# KiCad board chococorne.kicad_pcb
title: chocorne; date: 2023-09-03; rev: 1.0; company: idank
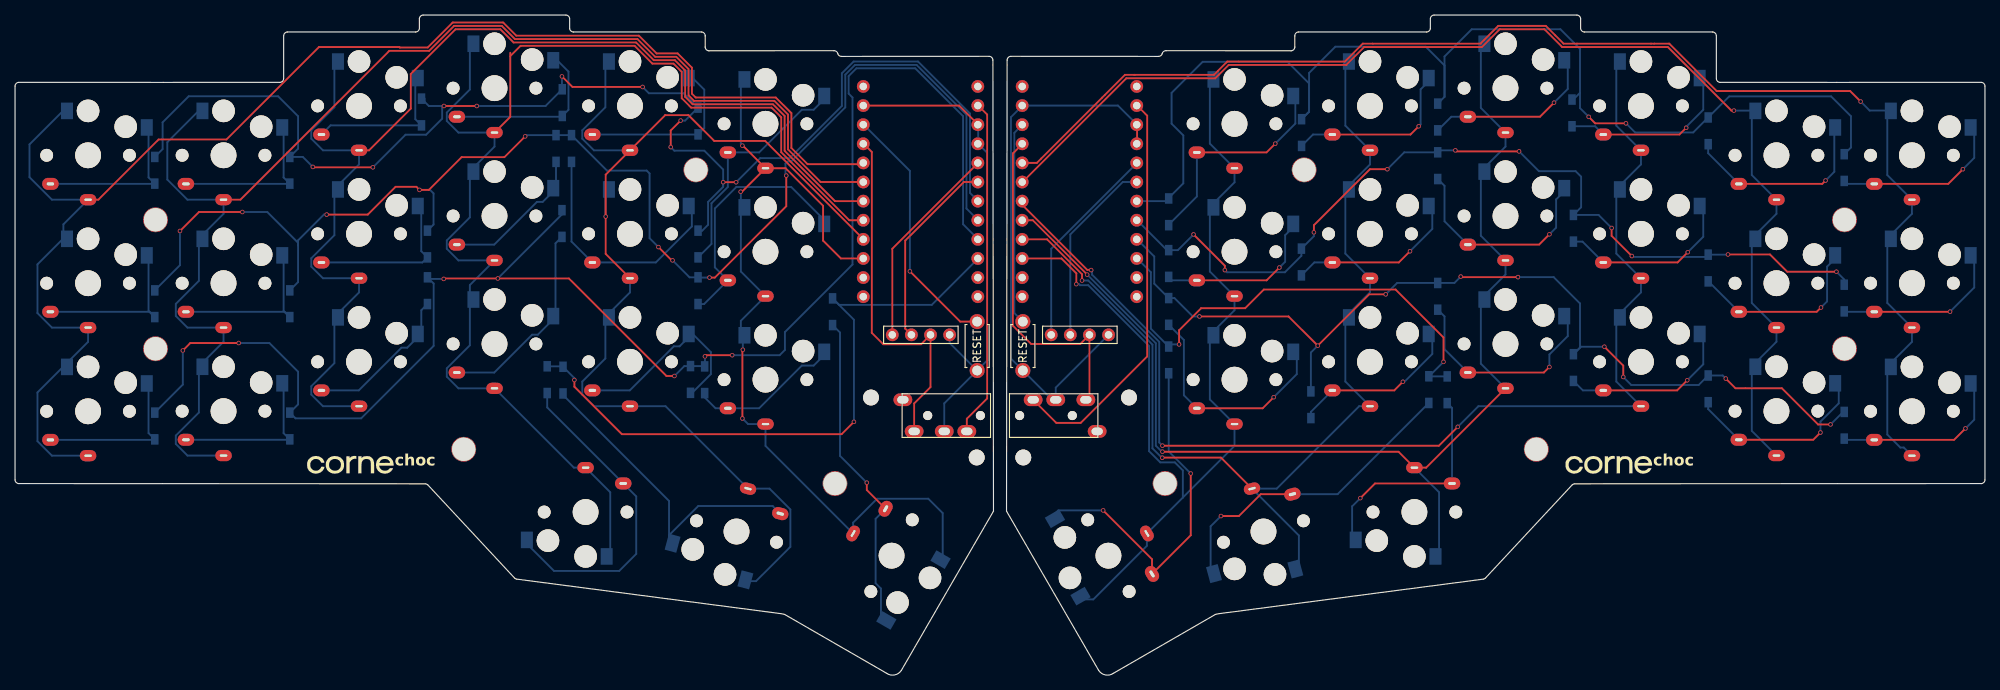
[diagram p0: board, top side]
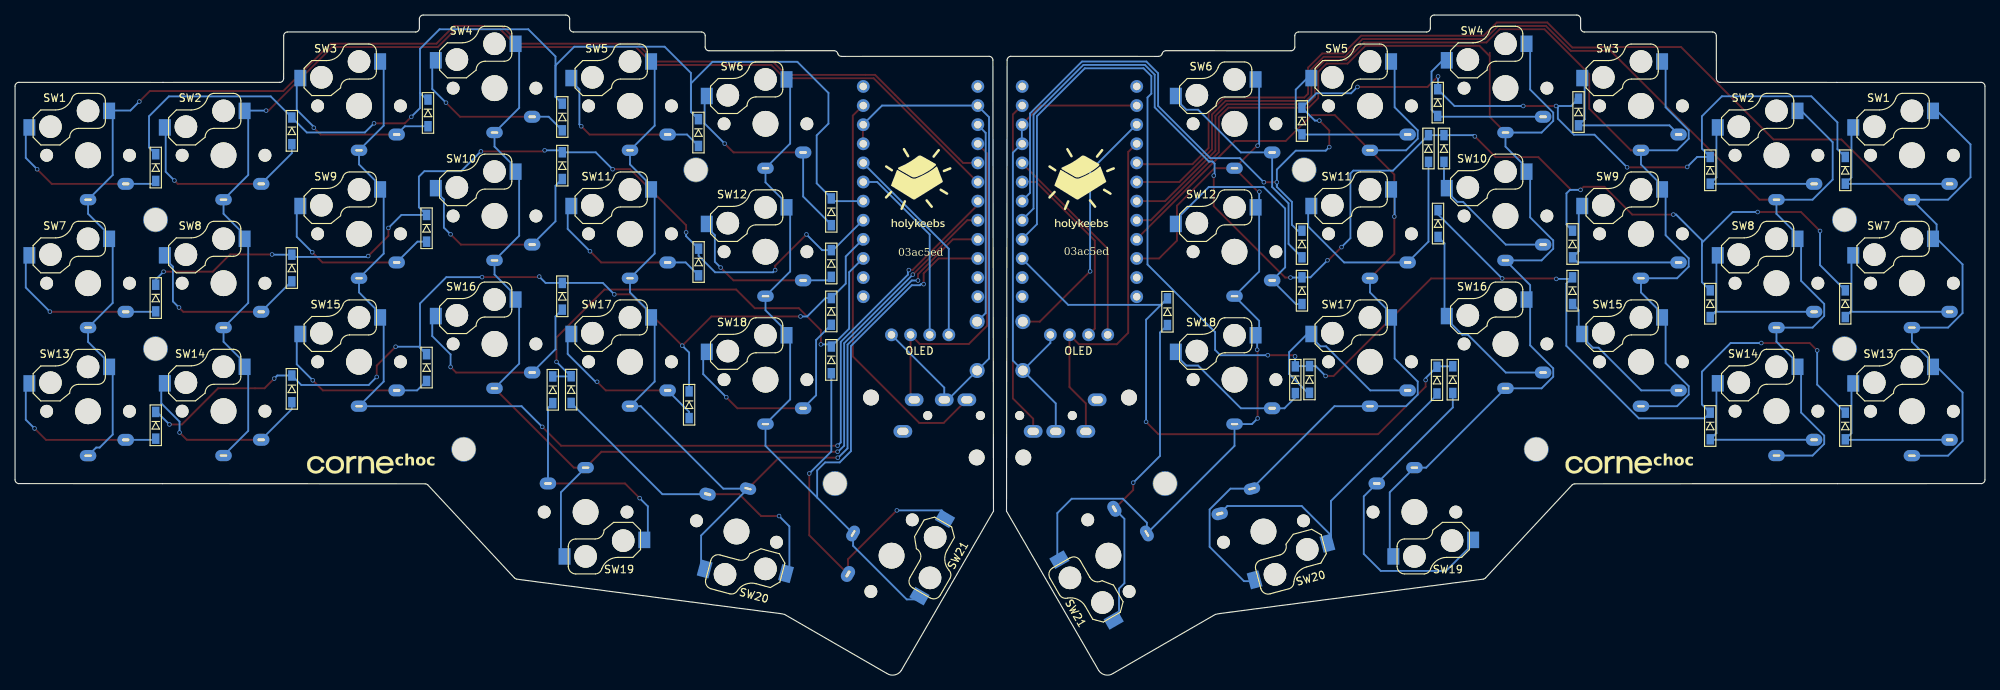
[diagram p1: board, bottom side, seen from below]

Outline 261.71 x 87.7 mm; copper layers: Top, Bottom. Coordinates in mm from the lower left corner of the outline.
Outline path: 0,78.25 0,25.93 arc(0.15,25.58) 0.5,25.43 19.61,25.43 54.49,25.4 arc(54.67,25.37) 54.82,25.27 66.36,12.88 arc(66.49,12.79) 66.64,12.74 101.6,8.17 arc(101.93,8.12) 102.25,8.04 115.81,0.21 arc(116.85,0) 117.74,0.59 129.99,21.77 129.91,81.71 arc(129.76,82.06) 129.41,82.21 109.79,82.2 arc(109.49,82.3) 109.31,82.56 arc(109.14,82.85) 108.82,82.96 92.19,82.95 arc(91.84,83.09) 91.69,83.45 91.69,84.95 arc(91.54,85.3) 91.19,85.45 74.18,85.45 arc(73.83,85.59) 73.68,85.95 73.68,87.2 arc(73.53,87.55) 73.18,87.7 54.22,87.7 arc(53.87,87.55) 53.72,87.2 53.72,85.95 arc(53.57,85.59) 53.22,85.45 36.19,85.45 arc(35.84,85.3) 35.69,84.95 35.68,79.25 arc(35.53,78.9) 35.18,78.75 19.67,78.75 0.5,78.75 arc(0.15,78.6) 0,78.25 ; 131.72,21.77 131.8,81.71 arc(131.95,82.06) 132.3,82.21 151.92,82.2 arc(152.22,82.3) 152.4,82.56 arc(152.58,82.85) 152.89,82.96 169.52,82.95 arc(169.88,83.09) 170.02,83.45 170.02,84.95 arc(170.17,85.3) 170.52,85.45 187.53,85.45 arc(187.89,85.59) 188.03,85.95 188.03,87.2 arc(188.18,87.55) 188.53,87.7 207.49,87.7 arc(207.85,87.55) 207.99,87.2 207.99,85.95 arc(208.14,85.59) 208.49,85.45 225.52,85.45 arc(225.88,85.3) 226.02,84.95 226.03,79.25 arc(226.18,78.9) 226.53,78.75 242.05,78.75 261.21,78.75 arc(261.57,78.6) 261.71,78.25 261.71,25.93 arc(261.57,25.58) 261.21,25.43 242.1,25.43 207.22,25.4 arc(207.04,25.37) 206.89,25.27 195.35,12.88 arc(195.23,12.79) 195.08,12.74 160.11,8.17 arc(159.78,8.12) 159.46,8.04 145.9,0.21 arc(144.86,0) 143.97,0.59 131.72,21.77
Stack: Top 0.035mm / dielectric 1.51mm FR4 er 4.5 / Bottom 0.035mm

## Placement (name value [footprint] x y rotation side)
D1  D  [D3_SMD_v2]  18.56 67.07 270 bottom
D1#2  D  [D3_SMD_v2]  243.02 67.43 270 bottom
D2  D  [D3_SMD_v2]  36.5 67.07 270 bottom
D2#2  D  [D3_SMD_v2]  224.94 72.31 270 bottom
D3  D  [D3_SMD_v2]  54 74.81 270 bottom
D3#2  D  [D3_SMD_v2]  206.85 74.69 270 bottom
D4  D  [D3_SMD_v2]  72.7 76.06 270 bottom
D4#2  D  [D3_SMD_v2]  189.01 74.15 270 bottom
D5  D  [D3_SMD_v2]  90.74 73.62 270 bottom
D5#2  D  [D3_SMD_v2]  170.92 72.08 270 bottom
D6  D  [D3_SMD_v2]  90.74 57.27 270 bottom
D6#2  D  [D3_SMD_v2]  153.27 61.55 270 bottom
D7  D  [D3_SMD_v2]  18.56 49.34 270 bottom
D7#2  D  [D3_SMD_v2]  243.02 50.09 270 bottom
D8  D  [D3_SMD_v2]  36.5 49.34 270 bottom
D8#2  D  [D3_SMD_v2]  224.94 54.08 270 bottom
D9  D  [D3_SMD_v2]  54.79 57.27 270 bottom
D9#2  D  [D3_SMD_v2]  207.04 59.36 270 bottom
D10  D  [D3_SMD_v2]  71.87 69.96 270 bottom
D10#2  D  [D3_SMD_v2]  189.01 67.68 270 bottom
D11  D  [D3_SMD_v2]  73.93 69.96 270 bottom
D11#2  D  [D3_SMD_v2]  170.9 54.88 270 bottom
D12  D  [D3_SMD_v2]  90.74 51.07 270 bottom
D12#2  D  [D3_SMD_v2]  153.27 54.68 270 bottom
D13  D  [D3_SMD_v2]  18.56 33.09 270 bottom
D13#2  D  [D3_SMD_v2]  243.02 33.18 270 bottom
D14  D  [D3_SMD_v2]  36.5 33.09 270 bottom
D14#2  D  [D3_SMD_v2]  224.94 38.02 270 bottom
D15  D  [D3_SMD_v2]  54.79 51.07 270 bottom
D15#2  D  [D3_SMD_v2]  207.04 40.85 270 bottom
D16  D  [D3_SMD_v2]  72.66 59.99 270 bottom
D16#2  D  [D3_SMD_v2]  189.01 50.32 270 bottom
D17  D  [D3_SMD_v2]  89.74 39.27 270 bottom
D17#2  D  [D3_SMD_v2]  172.16 35.91 270 bottom
D18  D  [D3_SMD_v2]  91.62 39.23 270 bottom
D18#2  D  [D3_SMD_v2]  153.27 48.31 270 bottom
D19  D  [D3_SMD_v2]  70.7 39.24 270 bottom
D19#2  D  [D3_SMD_v2]  190.27 37.9 270 bottom
D20  D  [D3_SMD_v2]  72.8 39.18 270 bottom
D20#2  D  [D3_SMD_v2]  187.83 37.92 270 bottom
D21  D  [D3_SMD_v2]  108.61 48.27 270 bottom
D21#2  D  [D3_SMD_v2]  153.27 41.87 270 bottom
G***  LOGO  [corne-logo-horizontal-mask]  214.45 28.25 0 top
G***#2  LOGO  [corne-logo-horizontal-mask]  47.26 28.25 0 top
G***#3  LOGO  [corne-logo-horizontal-mask]  214.45 28.25 180 bottom
G***#4  LOGO  [corne-logo-horizontal-mask]  47.26 28.25 180 bottom
h2  h2  [M2_SPACER]  18.66 60.49 0 top
h2#2  h2  [M2_SPACER]  59.61 29.99 0 top
h2#3  h2  [M2_SPACER]  18.66 43.35 0 top
h2#4  h2  [M2_HOLE_NPH]  113.72 36.87 0 top
h2#5  h2  [M2_HOLE_NPH]  127.76 28.9 0 top
h2#6  h2  [M2_SPACER]  108.93 25.44 0 top
h2#7  h2  [M2_SPACER]  243.05 60.49 180 bottom
h2#8  h2  [M2_SPACER]  243.05 43.35 180 bottom
h2#9  h2  [M2_HOLE_NPH]  133.95 28.9 180 bottom
h2#10  h2  [M2_SPACER]  202.1 29.99 180 bottom
h2#11  h2  [M2_HOLE_NPH]  147.99 36.87 180 bottom
h2#12  h2  [M2_SPACER]  152.78 25.44 180 bottom
J1  MJ-4PP-9  [MJ-4PP-9_1side]  129.75 34.47 270 top
J1#2  MJ-4PP-9  [MJ-4PP-9_1side]  131.96 34.47 90 top
J2  OLED  [OLED_1side_1mm_holes]  116.55 45.2 0 top
J2#2  OLED  [OLED_1side_1mm_holes]  137.66 45.2 0 top
NOREF  -  [M2_SPACER]  171.26 67.12 0 top
NOREF#2  -  [M2_SPACER]  90.45 67.12 180 bottom
REF**  logo big  [logo .5x]  120 65.03 180 bottom
REF**#2  logo big  [logo .5x]  141.71 65.03 180 bottom
RSW1  Val**  [ResetSW_1side]  127.82 43.71 270 top
RSW1#2  Val**  [ResetSW_1side]  133.89 43.71 270 top
SW1  SW_PUSH  [Kailh_socket_PG1350_optional_oval_smaller_hotswap_alternate_pinout]  9.7 69.06 0 top
SW1#2  SW_PUSH  [Kailh_socket_PG1350_optional_oval_smaller_hotswap_alternate_pinout]  252.01 69.06 0 top
SW2  SW_PUSH  [Kailh_socket_PG1350_optional_oval_smaller_hotswap_alternate_pinout]  27.7 69.06 0 top
SW2#2  SW_PUSH  [Kailh_socket_PG1350_optional_oval_smaller_hotswap_alternate_pinout]  234.01 69.06 0 top
SW3  SW_PUSH  [Kailh_socket_PG1350_optional_oval_smaller_hotswap_alternate_pinout]  45.7 75.62 0 top
SW3#2  SW_PUSH  [Kailh_socket_PG1350_optional_oval_smaller_hotswap_alternate_pinout]  216.01 75.62 0 top
SW4  SW_PUSH  [Kailh_socket_PG1350_optional_oval_smaller_hotswap_alternate_pinout]  63.7 77.98 0 top
SW4#2  SW_PUSH  [Kailh_socket_PG1350_optional_oval_smaller_hotswap_alternate_pinout]  198.01 77.98 0 top
SW5  SW_PUSH  [Kailh_socket_PG1350_optional_oval_smaller_hotswap_alternate_pinout]  81.7 75.62 0 top
SW5#2  SW_PUSH  [Kailh_socket_PG1350_optional_oval_smaller_hotswap_alternate_pinout]  180.01 75.62 0 top
SW6  SW_PUSH  [Kailh_socket_PG1350_optional_oval_smaller_hotswap_alternate_pinout]  99.7 73.24 0 top
SW6#2  SW_PUSH  [Kailh_socket_PG1350_optional_oval_smaller_hotswap_alternate_pinout]  162.01 73.24 0 top
SW7  SW_PUSH  [Kailh_socket_PG1350_optional_oval_smaller_hotswap_alternate_pinout]  9.7 52.06 0 top
SW7#2  SW_PUSH  [Kailh_socket_PG1350_optional_oval_smaller_hotswap_alternate_pinout]  252.01 52.06 0 top
SW8  SW_PUSH  [Kailh_socket_PG1350_optional_oval_smaller_hotswap_alternate_pinout]  27.7 52.06 0 top
SW8#2  SW_PUSH  [Kailh_socket_PG1350_optional_oval_smaller_hotswap_alternate_pinout]  234.01 52.06 0 top
SW9  SW_PUSH  [Kailh_socket_PG1350_optional_oval_smaller_hotswap_alternate_pinout]  45.7 58.62 0 top
SW9#2  SW_PUSH  [Kailh_socket_PG1350_optional_oval_smaller_hotswap_alternate_pinout]  216.01 58.62 0 top
SW10  SW_PUSH  [Kailh_socket_PG1350_optional_oval_smaller_hotswap_alternate_pinout]  63.7 60.99 0 top
SW10#2  SW_PUSH  [Kailh_socket_PG1350_optional_oval_smaller_hotswap_alternate_pinout]  198.01 60.99 0 top
SW11  SW_PUSH  [Kailh_socket_PG1350_optional_oval_smaller_hotswap_alternate_pinout]  81.7 58.62 0 top
SW11#2  SW_PUSH  [Kailh_socket_PG1350_optional_oval_smaller_hotswap_alternate_pinout]  180.01 58.62 0 top
SW12  SW_PUSH  [Kailh_socket_PG1350_optional_oval_smaller_hotswap_alternate_pinout]  99.7 56.24 0 top
SW12#2  SW_PUSH  [Kailh_socket_PG1350_optional_oval_smaller_hotswap_alternate_pinout]  162.01 56.24 0 top
SW13  SW_PUSH  [Kailh_socket_PG1350_optional_oval_smaller_hotswap_alternate_pinout]  9.7 35.04 0 top
SW13#2  SW_PUSH  [Kailh_socket_PG1350_optional_oval_smaller_hotswap_alternate_pinout]  252.01 35.04 0 top
SW14  SW_PUSH  [Kailh_socket_PG1350_optional_oval_smaller_hotswap_alternate_pinout]  27.7 35.06 0 top
SW14#2  SW_PUSH  [Kailh_socket_PG1350_optional_oval_smaller_hotswap_alternate_pinout]  234.01 35.06 0 top
SW15  SW_PUSH  [Kailh_socket_PG1350_optional_oval_smaller_hotswap_alternate_pinout]  45.7 41.62 0 top
SW15#2  SW_PUSH  [Kailh_socket_PG1350_optional_oval_smaller_hotswap_alternate_pinout]  216.01 41.62 0 top
SW16  SW_PUSH  [Kailh_socket_PG1350_optional_oval_smaller_hotswap_alternate_pinout]  63.7 43.99 0 top
SW16#2  SW_PUSH  [Kailh_socket_PG1350_optional_oval_smaller_hotswap_alternate_pinout]  198.01 43.99 0 top
SW17  SW_PUSH  [Kailh_socket_PG1350_optional_oval_smaller_hotswap_alternate_pinout]  81.7 41.62 0 top
SW17#2  SW_PUSH  [Kailh_socket_PG1350_optional_oval_smaller_hotswap_alternate_pinout]  180.01 41.62 0 top
SW18  SW_PUSH  [Kailh_socket_PG1350_optional_oval_smaller_hotswap_alternate_pinout]  99.7 39.24 0 top
SW18#2  SW_PUSH  [Kailh_socket_PG1350_optional_oval_smaller_hotswap_alternate_pinout]  162.01 39.24 0 top
SW19  SW_PUSH  [Kailh_socket_PG1350_optional_oval_smaller_hotswap_alternate_pinout]  75.8 21.65 180 top
SW19#2  SW_PUSH  [Kailh_socket_PG1350_optional_oval_smaller_hotswap_alternate_pinout]  185.91 21.65 180 top
SW20  SW_PUSH  [Kailh_socket_PG1350_optional_oval_smaller_hotswap_alternate_pinout]  95.85 19.06 165 top
SW20#2  SW_PUSH  [Kailh_socket_PG1350_optional_oval_smaller_hotswap_alternate_pinout]  165.86 19.06 195 top
SW21  SW_PUSH  [Kailh_socket_PG1350_optional_oval_smaller_hotswap_alternate_pinout]  116.45 15.85 240 top
SW21#2  SW_PUSH  [Kailh_socket_PG1350_optional_oval_smaller_hotswap_alternate_pinout]  145.26 15.85 120 top
U1  ProMicro  [ProMicro_1mm_holes]  120.3 63.73 0 top
U1#2  ProMicro  [ProMicro_1mm_holes]  141.41 63.73 0 top

## Library data of the parts
J1 J1#2 = -: Field4: TRRS

## Footprints (pads in the part's own frame, mm; a bottom-side part is the same pattern mirrored in y, then rotated)
D3_SMD_v2
  rect 1.4x1 smd: 1(-1.775,0) 2(1.775,0)
Kailh_socket_PG1350_optional_oval_smaller_hotswap_alternate_pinout
  round 1.702 hole 1.702 unplated: (-5.5,0) (5.5,0)
  round 3 hole 3 unplated: (0,5.9) (5,3.8)
  round 3.429 hole 3.429 unplated: (0,0)
  rect 1.6x2.2 smd far side: 1(-2.8,5.9) 2(7.8,3.7)
  oval 2.2x1.5 hole 1x0.3: 1(0,-5.9)
  oval 2.2x1.6 hole 1x0.4: 2(-5,-3.8)
M2_HOLE_NPH
  round 2.1 hole 2.1 unplated: (0,0)
M2_SPACER
  round 3.3 hole 3.1: (0,0)
MJ-4PP-9_1side
  round 1.2 hole 1.2 unplated: (0,-1.5) (0,-8.5)
  oval 1.7x2.5 hole 1x1.5: A(-2.1,-11.8) B(2.1,-3.3) C(2.1,-6.3) D(2.1,-10.3)
OLED_1side_1mm_holes
  round 1.7 hole 1: 1(0,0) 2(2.54,0) 3(5.08,0) 4(7.62,0)
ProMicro_1mm_holes
  round 1.7 hole 1: 1(7.611,14.478) 2(7.611,11.938) 3(7.611,9.398) 4(7.611,6.858) 5(7.611,4.318) 6(7.611,1.778) 7(7.611,-0.762) 8(7.611,-3.302) 9(7.611,-5.842) 10(7.611,-8.382) 11(7.611,-10.922) 12(7.611,-13.462) 13(-7.609,-13.462) 14(-7.609,-10.922) 15(-7.609,-8.382) 16(-7.609,-5.842) 17(-7.609,-3.302) 18(-7.609,-0.762) 19(-7.609,1.778) 20(-7.609,4.318) 21(-7.609,6.858) 22(-7.609,9.398) 23(-7.609,11.938) 24(-7.609,14.478)
ResetSW_1side
  round 2 hole 1.3: 1(3.25,0) 2(-3.25,0)

## Nets
GND: J1.C J1#2.C J2.4 J2#2.4 RSW1.1 RSW1#2.1 U1.3 U1.4 U1.23 U1#2.3 U1#2.4 U1#2.23
VCC: J1.D J1#2.D J2.3 J2#2.3 U1.21 U1#2.21
col0: SW1.1 SW1#2.1 SW7.1 SW7#2.1 SW13.1 SW13#2.1 U1.20 U1#2.20
col1: SW2.1 SW2#2.1 SW8.1 SW8#2.1 SW14.1 SW14#2.1 U1.19 U1#2.19
col2: SW3.1 SW3#2.1 SW9.1 SW9#2.1 SW15.1 SW15#2.1 U1.18 U1#2.18
col3: SW4.1 SW4#2.1 SW10.1 SW10#2.1 SW16.1 SW16#2.1 SW19.1 SW19#2.1 U1.17 U1#2.17
col4: SW5.1 SW5#2.1 SW11.1 SW11#2.1 SW17.1 SW17#2.1 SW20.1 SW20#2.1 U1.16 U1#2.16
col5: SW6.1 SW6#2.1 SW12.1 SW12#2.1 SW18.1 SW18#2.1 SW21.1 SW21#2.1 U1.15 U1#2.15
data: J1.B J1#2.B U1.2 U1#2.2
LED: U1.1 U1#2.1
reset: RSW1.2 RSW1#2.2 U1.22 U1#2.22
row0: D1.1 D1#2.1 D2.1 D2#2.1 D3.1 D3#2.1 D4.1 D4#2.1 D5.1 D5#2.1 D6.1 D6#2.1 U1.7 U1#2.7
row1: D7.1 D7#2.1 D8.1 D8#2.1 D9.1 D9#2.1 D10.1 D10#2.1 D11.1 D11#2.1 D12.1 D12#2.1 U1.8 U1#2.8
row2: D13.1 D13#2.1 D14.1 D14#2.1 D15.1 D15#2.1 D16.1 D16#2.1 D17.1 D17#2.1 D18.1 D18#2.1 U1.9 U1#2.9
row3: D19.1 D19#2.1 D20.1 D20#2.1 D21.1 D21#2.1 U1.10 U1#2.10
SCL: J2.2 J2#2.2 U1.6 U1#2.6
SDA: J2.1 J2#2.1 U1.5 U1#2.5
Net-(D1-Pad2): D1.2 D1#2.2 SW1.2 SW1#2.2
Net-(D2-Pad2): D2.2 D2#2.2 SW2.2 SW2#2.2
Net-(D3-Pad2): D3.2 D3#2.2 SW3.2 SW3#2.2
Net-(D4-Pad2): D4.2 D4#2.2 SW4.2 SW4#2.2
Net-(D5-Pad2): D5.2 D5#2.2 SW5.2 SW5#2.2
Net-(D6-Pad2): D6.2 D6#2.2 SW6.2 SW6#2.2
Net-(D7-Pad2): D7.2 D7#2.2 SW7.2 SW7#2.2
Net-(D8-Pad2): D8.2 D8#2.2 SW8.2 SW8#2.2
Net-(D9-Pad2): D9.2 D9#2.2 SW9.2 SW9#2.2
Net-(D10-Pad2): D10.2 D10#2.2 SW10.2 SW10#2.2
Net-(D11-Pad2): D11.2 D11#2.2 SW11.2 SW11#2.2
Net-(D12-Pad2): D12.2 D12#2.2 SW12.2 SW12#2.2
Net-(D13-Pad2): D13.2 D13#2.2 SW13.2 SW13#2.2
Net-(D14-Pad2): D14.2 D14#2.2 SW14.2 SW14#2.2
Net-(D15-Pad2): D15.2 D15#2.2 SW15.2 SW15#2.2
Net-(D16-Pad2): D16.2 D16#2.2 SW16.2 SW16#2.2
Net-(D17-Pad2): D17.2 D17#2.2 SW17.2 SW17#2.2
Net-(D18-Pad2): D18.2 D18#2.2 SW18.2 SW18#2.2
Net-(D19-Pad2): D19.2 D19#2.2 SW19.2 SW19#2.2
Net-(D20-Pad2): D20.2 D20#2.2 SW20.2 SW20#2.2
Net-(D21-Pad2): D21.2 D21#2.2 SW21.2 SW21#2.2
Net-(J1-PadA): J1.A J1#2.A
Net-(U1-Pad24): U1.24 U1#2.24

Pads without a net: U1 11 12 13 14; U1#2 11 12 13 14

## Via types
v1: diameter 0.6, hole 0.4, Top to Bottom, 90 vias

## Routing (per net, layer and track width the routed paths; a pad name or vN(x,y) marks a point on that pad's centre or on a via; arc(x,y) is an arc through that point)
GND: length 139
  Top w0.25: 127.96,73.13 125.42,75.67 112.74,75.67 ; 149.07,73.13 149.07,70.59
  Bottom w0.25: RSW1.1 129.14,41.79 129.14,69.4 127.96,70.59 127.96,73.13 ; RSW1.1 124.17,44.12 J2.4 ; RSW1.1 123.45,36.09 J1.C ; J2#2.4 138.26,38.19 J1#2.C 137.78,36.57 RSW1#2.1 132.31,42.04 132.31,74.13 133.85,75.67 146.53,75.67 149.07,73.13
VCC: length 93.5
  Top w0.25: J1.D 119.45,36.08 121.63,38.25 J2.3 120.38,43.95 115.33,43.95 113.82,45.46 113.82,69.5 112.74,70.59 ; 133.85,70.59 132.57,69.31 132.57,46.41 134.99,43.99 141.52,43.99 J2#2.3 142.74,37.05 J1#2.D
col0: length 376
  Top w0.25: 112.74,68.05 112.57,67.88 105.29,67.88 103.14,70.03 103.14,74.66 101.06,76.74 90.43,76.74 89.92,77.25 89.92,80.71 88.04,82.6 85.24,82.6 82.88,84.96 66.6,84.96 64.85,86.71 58.14,86.71 54.82,83.38 51.11,83.38 51.05,83.45 40.37,83.45 28.08,71.16 19.07,71.16 11.07,63.16 SW1.1 ; v1(245.2,76.2) 243.8,77.6 226.07,77.6 219.78,83.9 205.73,83.9 203.37,86.26 197.05,86.26 194.69,83.9 179.05,83.9 176.67,81.52 161.05,81.52 159.28,79.75 147.45,79.75 135.75,68.05 133.85,68.05
  Bottom w0.25: 6.43,75.01 1.92,70.51 1.92,66.14 4.9,63.16 SW1.1 6.43,59.89 6.43,58.01 2.97,54.56 2.97,48.09 4.9,46.16 SW7.1 9.7,44.27 2.97,37.54 2.97,31.07 4.9,29.14 SW13.1 ; SW13#2.1 250.93,30.22 250.47,30.22 248.74,31.95 248.74,40.99 252.01,44.27 SW7#2.1 248.74,49.44 248.74,58.01 252.01,61.29 SW1#2.1 248.74,66.44 248.74,75.01 246.39,75.01 v1(245.2,76.2)
col1: length 340
  Top w0.25: 112.74,65.51 107.03,65.51 102.69,69.84 102.69,74.48 100.88,76.29 90.2,76.29 89.48,77.02 89.48,80.52 87.85,82.15 85.05,82.15 82.69,84.51 66.41,84.51 64.66,86.26 58.33,86.26 55.01,82.93 49.71,82.93 29.94,63.16 SW2.1 ; 133.85,65.51 147.64,79.3 159.47,79.3 161.24,81.07 176.86,81.07 179.24,83.45 194.88,83.45 197.24,85.81 203.18,85.81 205.54,83.45 219.59,83.45 228.04,75 v1(228.36,75)
  Bottom w0.25: SW14#2.1 230.74,32.43 230.74,41.01 234.01,44.28 SW8#2.1 230.74,49.44 230.74,58.01 234.01,61.29 SW2#2.1 230.74,66.44 230.74,75.01 230.73,75 v1(228.36,75) ; SW14.1 22.9,29.16 21.36,30.7 21.36,31.81 24.43,34.88 24.43,41.01 27.7,44.28 SW8.1 22.9,46.16 21.36,47.7 21.36,49.31 24.43,52.38 24.43,58.01 27.7,61.29 SW2.1 22.9,63.16 20.23,65.83 20.23,70.8 24.43,75 24.43,75.01
col2: length 318.2
  Top w0.25: 112.74,62.97 108.93,62.97 102.24,69.66 102.24,74.29 100.69,75.84 90.02,75.84 89.03,76.83 89.03,80.33 87.66,81.7 84.86,81.7 82.5,84.06 66.23,84.06 64.48,85.81 58.52,85.81 52.58,79.87 52.58,75.26 47.03,69.72 SW3.1 ; U1#2.18 133.8,62.47 142.45,53.83 142.94,53.83 v1(142.97,53.8) ; v1(152.44,30.47) 152.45,30.46 189.16,30.46 v1(191.67,32.97)
  Bottom w0.25: v1(142.97,53.8) 143.09,53.68 143.09,53.19 152.01,44.27 152.01,30.9 v1(152.44,30.47) ; v1(191.67,32.97) 194.42,35.72 SW15#2.1 212.74,38.99 212.74,47.57 216.01,50.84 SW9#2.1 212.74,56 212.74,64.57 216.01,67.85 SW3#2.1 212.74,73 212.74,81.57 ; 42.42,81.57 42.42,75.44 39.36,72.38 39.36,71.26 40.9,69.72 SW3.1 45.7,67.85 42.42,64.57 42.42,58.44 39.36,55.38 39.36,54.26 40.9,52.72 SW9.1 45.7,50.84 42.42,47.57 42.42,41.44 39.36,38.37 39.36,37.26 40.9,35.72 SW15.1
col3: length 328.8
  Top w0.25: 65.79,82.68 65.79,74.17 SW4.1 ; 112.74,60.43 110.83,60.43 101.79,69.47 101.79,74.11 100.5,75.39 89.83,75.39 88.58,76.65 88.58,80.15 87.48,81.25 84.68,81.25 82.32,83.61 67.15,83.61 65.79,82.24 ; 133.85,59.72 133.85,60.43 ; SW16#2.1 187.47,27.55 SW19#2.1 183.8,29.66 152.43,29.66 v1(152.44,29.67) 152.36,29.67 ; v1(142.44,53.2) 142.44,53.2 135.21,60.43 U1#2.17 133.8,60.11
  Bottom w0.25: SW19#2.1 189.19,24.28 189.19,15.7 ; 60.42,83.93 60.42,77.8 57.36,74.74 57.36,73.62 58.9,72.08 SW4.1 63.7,70.22 60.42,66.94 60.42,60.81 57.36,57.75 57.36,56.63 58.9,55.09 SW10.1 60.42,51.82 60.42,43.81 57.36,40.75 57.36,39.63 58.9,38.09 SW16.1 74.24,27.55 SW19.1 79.08,24.28 79.08,15.7 ; 194.74,83.93 194.74,75.36 SW4#2.1 198.01,70.22 194.74,66.94 194.74,58.37 SW10#2.1 198.01,53.22 194.74,49.94 194.74,41.37 SW16#2.1 ; v1(152.44,29.67) 152.36,29.67 151.56,30.47 151.56,44.08 v1(142.44,53.2)
col4: length 285.1
  Top w0.25: 112.74,57.89 99.66,70.97 92.89,70.97 89.46,74.39 86.37,74.39 SW5.1 78.47,66.49 v1(78.47,60.92) 78.47,55.95 SW11.1 ; SW20#2.1 160.21,28.88 152.42,28.88 v1(152.41,28.87) 152.36,28.87 ; v1(141.75,52.42) 141.75,53.25 137.12,57.89 U1#2.16
  Bottom w0.25: v1(141.75,52.42) 142.58,52.42 151.11,43.89 151.11,30.12 152.36,28.87 v1(152.41,28.87) ; v1(78.47,60.92) 78.42,60.97 78.42,64.57 ; SW5.1 76.9,69.72 75.36,71.26 75.36,72.38 78.42,75.44 78.42,81.57 ; 170.57,14.16 170.57,18.53 SW20#2.1 167.62,24.76 178.58,35.72 SW17#2.1 176.74,38.99 176.74,47.57 180.01,50.84 SW11#2.1 176.74,56 176.74,64.57 180.01,67.85 SW5#2.1 176.74,73 176.74,81.57 ; SW11.1 81.7,50.84 78.42,47.57 78.42,42.06 75.36,38.99 75.36,37.26 76.9,35.72 SW17.1 86.42,35.72 SW20.1 100.24,24.76 103,21.99 103,17.02 98.45,12.47 97.47,12.47
col5: length 246.4
  Top w0.25: SW6.1 96.58,64.22 v1(96.4,64.22) ; SW6.1 96.7,70.34 v1(96.63,70.34) ; SW6.1 102.36,67.34 107.35,62.35 107.35,57.72 109.72,55.35 112.74,55.35 ; v1(96.69,43.22) 96.63,43.16 v1(96.63,34.09) ; v1(141,51.94) 141,53.37 139.02,55.35 U1#2.15
  Bottom w0.25: 123.24,15.71 123.24,21.51 121.33,23.42 114.52,23.42 111.34,20.24 SW21.1 99.7,30.44 SW18.1 97.38,33.34 v1(96.63,34.09) ; v1(96.4,64.22) 96.42,64.2 96.42,53.62 SW12.1 96.42,47.07 96.42,45.19 96.69,44.93 v1(96.69,43.22) ; 158.74,79.19 158.74,70.62 SW6#2.1 162.01,65.47 158.74,62.19 158.74,53.62 SW12#2.1 162.01,48.47 158.74,45.19 158.74,36.62 SW18#2.1 162.01,30.44 155.15,23.58 ; v1(96.63,70.34) 96.42,70.55 96.42,79.19 ; 155.15,23.58 SW21#2.1 150.37,17.16 143.25,10.04 141.75,10.04 ; 155.15,23.58 155.15,27.18 154.09,28.25 152.15,28.25 150.66,29.74 150.66,43.71 142.57,51.8 141.49,51.8 141.35,51.94 v1(141,51.94)
data: length 98.9
  Top w0.25: J1#2.B 138.34,33.5 141.57,33.5 150.41,42.33 150.41,74.33 149.07,75.67 ; J1.B 126.45,34.05 129.14,36.74 129.14,74.48 127.96,75.67
reset: length 60.8
  Top w0.25: RSW1.2 125.56,46.96 v1(118.88,53.64)
  Bottom w0.25: RSW1#2.2 132.76,48.09 132.76,72.04 133.85,73.13 ; v1(118.88,53.64) 118.88,66.98 112.74,73.13
row0: length 340
  Top w0.25: v1(61.34,75.61) v1(56.98,75.61) ; v1(214.02,73.31) 209.93,73.31 v1(209.07,74.17) ; v1(88.43,73.67) 87.11,72.35 v1(87.11,70.15) ; v1(94.08,65.48) v1(95.8,65.48) ; v1(83.37,78.14) 74.06,78.14 v1(72.66,79.54) ; v1(39.56,67.51) 39.61,67.46 v1(47.54,67.46)
  Bottom w0.25: v1(39.56,67.51) 38.23,68.84 D2.1 37.6,69.94 37.6,74.25 34.95,76.9 23.07,76.9 19.6,73.44 19.6,69.88 D1.1 ; v1(214.02,73.31) 215.23,72.09 222.95,72.09 D2#2.1 227.74,76.89 241.27,76.89 243.91,74.25 243.91,70.1 D1#2.1 ; 149.07,62.97 152.91,62.97 D6#2.1 ; 189.91,76.83 189.91,82.19 193.53,85.81 205.31,85.81 207.91,83.21 207.91,77.36 ; 189.91,76.83 189.91,81 187.42,83.49 175.41,83.49 171.92,80 171.92,74.85 D5#2.1 171.91,74.85 171.91,78.62 169.05,81.48 157.78,81.48 153.65,77.35 153.65,73.26 155.21,71.7 155.21,65.33 153.2,63.32 ; 189.91,76.83 D4#2.1 ; 207.91,77.36 207.02,76.47 206.85,76.47 ; 207.91,77.36 207.91,75.33 v1(209.07,74.17) ; v1(95.8,65.48) 99,68.68 102.92,68.68 109.85,75.62 109.85,79.96 111.41,81.52 119.96,81.52 126.87,74.61 126.87,64.06 127.96,62.97 ; v1(61.34,75.61) 70.48,75.61 D4.1 72.66,77.88 v1(72.66,79.54) ; v1(88.43,73.67) 89.02,73.67 D5.1 88.83,77.3 84.21,77.3 v1(83.37,78.14) ; 94.08,65.13 v1(94.08,65.48) 94.08,67.16 91.57,69.67 87.59,69.67 v1(87.11,70.15) ; 94.08,65.13 94.08,64.87 92.07,62.87 92.07,59.82 91.3,59.05 D6.1 ; 94.08,65.13 94.08,64.97 ; 54.42,76.59 54.42,76.17 54.98,75.61 v1(56.98,75.61) 56.74,75.37 56.74,73.93 54.61,71.8 51.88,71.8 v1(47.54,67.46)
row1: length 305.7
  Top w0.25: v1(21.91,59) 24.43,61.52 v1(30.2,61.52) ; v1(191.35,69.72) 191.49,69.58 v1(199.82,69.58) ; v1(85.48,56.86) 87.24,55.1 v1(87.35,55.1) ; v1(212.11,59.4) 212.11,58.36 v1(214.8,55.67) ; v1(172.56,58.82) 172.56,59.77 180,67.21 v1(182.32,67.21) ; v1(67.77,71.57) 65.02,68.82 59.33,68.82 54.98,64.46 v1(53.73,64.46) 53.32,64.87 50.55,64.87 46.86,61.18 v1(41.4,61.18) ; v1(92.26,52.81) 92.97,52.81 102.46,62.3 v1(102.46,66.36) ; v1(156.57,58.54) 160.73,54.38 v1(160.73,53.8) ; v1(227.57,55.88) 233.15,55.88 235.44,53.59 v1(241.98,53.59)
  Bottom w0.25: v1(160.73,53.8) 161.01,53.51 168.71,53.51 170.9,55.7 D11#2.1 172.56,58.31 v1(172.56,58.82) ; v1(41.4,61.18) 41.03,61.18 37.6,57.75 37.6,57.08 ; 127.96,60.43 126.4,61.98 126.4,74.44 119.77,81.07 111.6,81.07 110.3,79.77 110.3,75.43 103.1,68.23 102.62,68.23 102.35,67.96 102.35,66.47 v1(102.46,66.36) ; v1(67.77,71.57) 67.94,71.74 73.93,71.74 78.64,67.03 83.92,67.03 84.3,66.64 84.3,58.04 v1(85.48,56.86) ; v1(21.91,59) 21.91,54.46 D7.1 ; D7#2.1 243.02,52.55 v1(241.98,53.59) ; 149.07,60.43 153.04,56.45 D12#2.1 ; v1(87.35,55.1) 89.61,52.84 D12.1 90.77,52.81 v1(92.26,52.81) ; v1(156.57,58.54) 154.48,56.45 153.2,56.45 ; 37.6,57.08 37.6,52.21 D8.1 ; 37.6,57.08 37.6,57.44 33.52,61.52 v1(30.2,61.52) ; v1(214.8,55.67) 214.8,55.6 214.84,55.55 224.64,55.55 D8#2.1 227.54,55.85 v1(227.57,55.88) ; v1(212.11,59.4) 210.38,61.13 D9#2.1 208.06,62.15 208.06,66.22 207.33,66.95 202.45,66.95 v1(199.82,69.58) ; v1(191.35,69.72) 189.27,69.72 D10#2.1 184.56,69.45 v1(182.32,67.21) ; D9.1 55.6,59.86 55.6,64 55.14,64.46 v1(53.73,64.46)
row2: length 338.4
  Top w0.25: v1(95.28,42.49) 91.82,42.49 v1(91.66,42.33) ; v1(241.2,33.29) 239.54,33.29 234.73,38.1 228.57,38.1 v1(227.28,39.39) ; v1(199.67,52.87) 192.14,52.87 v1(192.07,52.94) ; v1(87.6,39.73) 86.54,39.73 73.58,52.69 v1(64.14,52.69) 57.01,52.69 v1(56.95,52.63) ; v1(182.1,50.58) 179.89,50.58 v1(173.07,43.76) 169.19,47.64 v1(157.36,47.64) ; v1(211.15,43.62) 213.66,41.11 v1(213.66,39.6) ; v1(22.29,43.12) 23.28,44.11 v1(29.71,44.11)
  Bottom w0.25: D13#2.1 242.87,34.95 v1(241.2,33.29) ; v1(192.07,52.94) 191.22,52.09 D16#2.1 183.61,52.09 v1(182.1,50.58) ; 172.14,37.66 D17#2.1 172.16,42.85 v1(173.07,43.76) ; v1(213.66,39.6) 214.72,38.53 223.68,38.53 D14#2.1 226.88,39.79 v1(227.28,39.39) ; v1(87.6,39.73) 88.92,41.05 D17.1 91.58,41.05 D18.1 91.66,41.05 v1(91.66,42.33) ; 127.96,57.89 125.95,59.89 125.95,74.26 119.59,80.62 111.78,80.62 110.75,79.59 110.75,77.25 111.26,76.74 111.26,54.55 102.28,45.57 102.28,43.19 101.58,42.49 v1(95.28,42.49) ; v1(56.95,52.63) 55,52.63 D15.1 55.62,52.02 55.62,43.73 45.98,34.1 37.26,34.1 D14.1 37.6,35.96 37.6,40.3 33.79,44.11 v1(29.71,44.11) ; v1(22.29,43.12) 22.29,38.59 D13.1 ; 149.07,57.89 151.35,55.61 151.35,52 D18#2.1 154.03,50.08 156.48,47.64 v1(157.36,47.64) ; v1(199.67,52.87) 204.41,52.87 207.91,49.37 207.91,43.5 D15#2.1 208.03,43.62 v1(211.15,43.62) ; v1(64.14,52.69) 72.66,61.21 D16.1
row3: length 150.9
  Top w0.25: v1(74.31,39.19) 74.31,38.31 80.62,32 109.81,32 v1(111.45,33.64) ; v1(189.78,41.61) 189.78,44.85 183.41,51.22 165.91,51.22 163.43,48.74 157.58,48.74 154.65,45.81 v1(154.65,43.93)
  Bottom w0.25: v1(111.45,33.64) 111.45,47.21 D21.1 109.47,49.18 121.79,49.18 127.96,55.35 ; v1(154.65,43.93) 153.55,43.93 D21#2.1 150.9,46.01 150.9,53.52 149.07,55.35 ; D19.1 72.74,41.02 74.31,39.45 v1(74.31,39.19) ; v1(189.78,41.61) 187.86,39.69 D20#2.1 187.85,39.67 D19#2.1
SCL: length 50.9
  Top w0.25: J2.2 118.26,46.03 118.26,57.72 126.05,65.51 127.96,65.51
  Bottom w0.25: 149.07,65.51 147.17,65.51 140.2,58.54 J2#2.2
SDA: length 55.1
  Top w0.25: J2.1 116.55,56.64 127.96,68.05
  Bottom w0.25: 149.07,68.05 137.66,56.64 J2#2.1
Net-(D1-Pad2): length 44.8
  Top w0.25: SW1#2.2 256.83,65.26 v1(258.78,67.21)
  Bottom w0.25: SW1#2.2 243.41,65.26 D1#2.2 ; 260.29,72.81 260.29,68.72 v1(258.78,67.21) ; 17.97,72.81 17.73,72.57 17.73,66.12 D1.2 18.53,65.26 SW1.2
Net-(D2-Pad2): length 48.3
  Top w0.25: v1(240.54,65.71) 240.09,65.26 SW2#2.2
  Bottom w0.25: 35.97,72.81 35.67,72.51 35.67,66.12 D2.2 36.47,65.26 SW2.2 ; 242.29,72.81 241.7,72.22 241.7,66.87 v1(240.54,65.71) ; SW2#2.2 224.94,69.33 D2#2.2
Net-(D3-Pad2): length 44.4
  Top w0.25: v1(222.02,72.72) 221.12,71.82 SW3#2.2
  Bottom w0.25: SW3#2.2 209.92,72.92 D3#2.2 ; 53.98,79.37 53.17,78.57 53.17,73.86 D3.2 41.92,73.04 SW3.2 ; 224.29,79.37 224.29,75.11 222.02,72.84 v1(222.02,72.72)
Net-(D4-Pad2): length 46
  Top w0.25: SW4#2.2 202.59,74.18 v1(204.46,76.05)
  Bottom w0.25: v1(204.46,76.05) 206.29,77.88 206.29,81.73 ; 71.88,81.63 71.98,81.73 73.53,80.18 73.53,75.11 D4.2 72.59,74.18 SW4.2 ; D4#2.2 190.82,74.18 SW4#2.2
Net-(D5-Pad2): length 46.5
  Top w0.25: SW5#2.2 185.39,71.82 v1(186.49,72.92)
  Bottom w0.25: 188.29,79.37 186.74,77.82 186.74,73.17 v1(186.49,72.92) ; D5#2.2 172.44,71.82 SW5#2.2 ; SW5.2 90.72,71.82 D5.2 91.56,72.67 91.56,77.78 89.98,79.37 89.92,79.31
Net-(D6-Pad2): length 61.7
  Top w0.25: SW6#2.2 166.26,69.44 v1(167.43,70.61)
  Bottom w0.25: SW6#2.2 157.01,63.59 153.2,59.77 ; v1(167.43,70.61) 170.09,73.27 170.09,76.8 170.29,76.99 ; 107.98,76.99 106.1,75.12 104.53,75.12 98.85,69.44 SW6.2 94.7,64.86 92.52,62.68 92.52,57.28 D6.2
Net-(D7-Pad2): length 45.8
  Top w0.25: SW7#2.2 257.06,48.26 v1(257.08,48.28)
  Bottom w0.25: SW7#2.2 243.07,48.26 D7#2.2 ; v1(257.08,48.28) 260.29,51.49 260.29,55.81 ; 17.97,55.81 17.73,55.57 17.73,48.39 D7.2 17.86,48.26 SW7.2
Net-(D8-Pad2): length 47.7
  Top w0.25: v1(239.93,48.83) 239.36,48.26 SW8#2.2
  Bottom w0.25: D8#2.2 224.97,52.3 SW8#2.2 ; SW8.2 35.8,48.26 D8.2 35.67,48.39 35.67,55.51 35.97,55.81 ; 242.29,55.81 240.74,54.26 240.74,49.64 v1(239.93,48.83)
Net-(D9-Pad2): length 45.5
  Top w0.25: v1(222.23,56.18) 220.87,54.82 SW9#2.2
  Bottom w0.25: SW9#2.2 208.25,57.58 D9#2.2 ; 224.29,62.37 224.29,58.24 v1(222.23,56.18) ; 53.98,62.37 53.97,62.36 53.97,56.32 D9.2 54.12,54.82 SW9.2
Net-(D10-Pad2): length 48.9
  Top w0.25: v1(203.85,58.56) 202.48,57.19 SW10#2.2
  Bottom w0.25: D10#2.2 189.91,65 189.91,60.29 SW10#2.2 ; 206.29,64.74 204.74,63.19 204.74,59.45 v1(203.85,58.56) ; D10.2 71.87,64.85 71.98,64.74 70.1,62.87 69.34,62.87 63.66,57.19 SW10.2
Net-(D11-Pad2): length 55.5
  Top w0.25: SW11#2.2 183.84,54.82 v1(185.33,56.31)
  Bottom w0.25: 188.29,62.37 188.29,59.27 v1(185.33,56.31) ; D11#2.2 172.62,54.82 SW11#2.2 ; D11.2 73.93,57.59 SW11.2 85.13,54.82 89.92,59.6 89.92,62.31 89.98,62.37
Net-(D12-Pad2): length 56.2
  Top w0.25: SW12#2.2 166.27,52.44 v1(167.97,54.14)
  Bottom w0.25: 170.29,59.99 168.74,58.44 168.74,54.91 v1(167.97,54.14) ; 153.2,52.9 153.66,52.44 SW12#2.2 ; 107.98,59.99 103.12,64.85 95.83,64.85 92.97,61.99 92.97,54.17 SW12.2 91.55,49.29 D12.2
Net-(D13-Pad2): length 45.1
  Top w0.25: SW13#2.2 257.6,31.24 v1(259.12,32.76)
  Bottom w0.25: SW13#2.2 243.18,31.24 D13#2.2 ; SW13.2 18.49,31.24 D13.2 17.73,32.14 17.73,38.55 17.97,38.79 ; 260.29,38.79 260.29,33.93 v1(259.12,32.76)
Net-(D14-Pad2): length 47.3
  Top w0.25: 229.01,31.26 238.9,31.26 v1(239.86,32.22)
  Bottom w0.25: 242.29,38.81 242.29,36.1 239.86,33.67 v1(239.86,32.22) ; 22.7,31.26 36.44,31.26 D14.2 35.67,32.14 35.67,38.51 35.97,38.81 ; 229.01,31.26 224.94,35.33 D14#2.2
Net-(D15-Pad2): length 44
  Top w0.25: SW15#2.2 220.82,37.82 v1(222.16,39.16)
  Bottom w0.25: D15.2 53.98,48.48 53.98,45.37 52.1,43.49 51.34,43.49 45.67,37.82 SW15.2 ; SW15#2.2 208.3,37.82 D15#2.2 ; 224.29,45.37 224.29,41.29 v1(222.16,39.16)
Net-(D16-Pad2): length 56.3
  Top w0.25: v1(203.85,40.93) 203.11,40.19 SW16#2.2
  Bottom w0.25: v1(203.85,40.93) 203.85,42.59 206.29,45.03 206.29,47.74 ; SW16.2 63.67,40.19 68.69,45.22 69.45,45.22 71.98,47.74 71.8,47.92 71.8,57.36 D16.2 ; D16#2.2 189.91,47.64 189.91,43.29 SW16#2.2
Net-(D17-Pad2): length 50.9
  Top w0.25: SW17#2.2 183.24,37.82 v1(184.38,38.96)
  Bottom w0.25: SW17#2.2 172.16,34.96 D17#2.2 ; 89.98,45.37 88.28,43.67 87.52,43.67 81.67,37.82 SW17.2 ; 89.98,45.37 88.92,44.31 ; 89.98,45.37 92.45,42.9 92.45,39.98 89.96,37.5 D17.2 ; v1(184.38,38.96) 184.59,38.96 188.29,42.66 188.29,45.37
Net-(D18-Pad2): length 51.5
  Top w0.25: SW18#2.2 165.75,35.44 v1(167.22,36.91)
  Bottom w0.25: 170.29,42.99 170.29,39.98 v1(167.22,36.91) ; D18.2 91.62,36.89 93.06,35.44 SW18.2 98.85,35.44 104.53,41.12 106.1,41.12 107.98,42.99 ; D18#2.2 155.29,44.52 155.29,37.17 SW18#2.2
Net-(D19-Pad2): length 73.9
  Top w0.25: SW19#2.2 180.68,25.45 v1(178.73,23.5)
  Bottom w0.25: 67.53,17.9 71.6,13.83 80.27,13.83 82.53,16.09 82.53,23.72 SW19.2 70.7,35.55 70.7,37.47 ; v1(178.73,23.5) 177.64,22.41 177.64,17.9 ; SW19#2.2 190.91,35.48 D19#2.2
Net-(D20-Pad2): length 85.7
  Top w0.25: v1(160.21,21.12) 162.59,21.12 165.5,24.02 SW20#2.2
  Bottom w0.25: v1(160.21,21.12) 158.84,19.75 158.84,13.3 ; SW20.2 100.65,22.45 90.77,22.45 86.89,18.57 86.89,17.58 86.89,23.12 72.8,37.21 D20.2 ; SW20#2.2 175.71,24.02 D20#2.2
Net-(D21-Pad2): length 91.8
  Top w0.25: v1(156.2,26.77) 156.2,18.57 SW21#2.2 151.05,15.38 v1(144.56,21.87) ; v1(113.16,25.55) 113.16,24.58 SW21.2
  Bottom w0.25: 137.88,21.14 138.61,21.87 v1(144.56,21.87) ; v1(156.2,26.77) 153.27,29.7 D21#2.2 ; 115.56,6.81 115.04,7.33 115.04,11.48 114.33,12.19 114.33,20.75 SW21.2 ; v1(113.16,25.55) 109.6,29.11 109.6,45.51 D21.2

## Text on the board
B.Silkscreen: 03ac5ed
